# Altium PCB Arduino_pcb_PCB.PcbDoc (part 1 of 2)
Units mm, origin at the board's own origin, x right, y up, seen from the top; angles counter-clockwise.
Board outline 68.58 x 53.34 mm, 2 copper layers (L1, L2), stack 1.671 mm thick; 106 components, 71 nets, 323 pads, 77 vias.
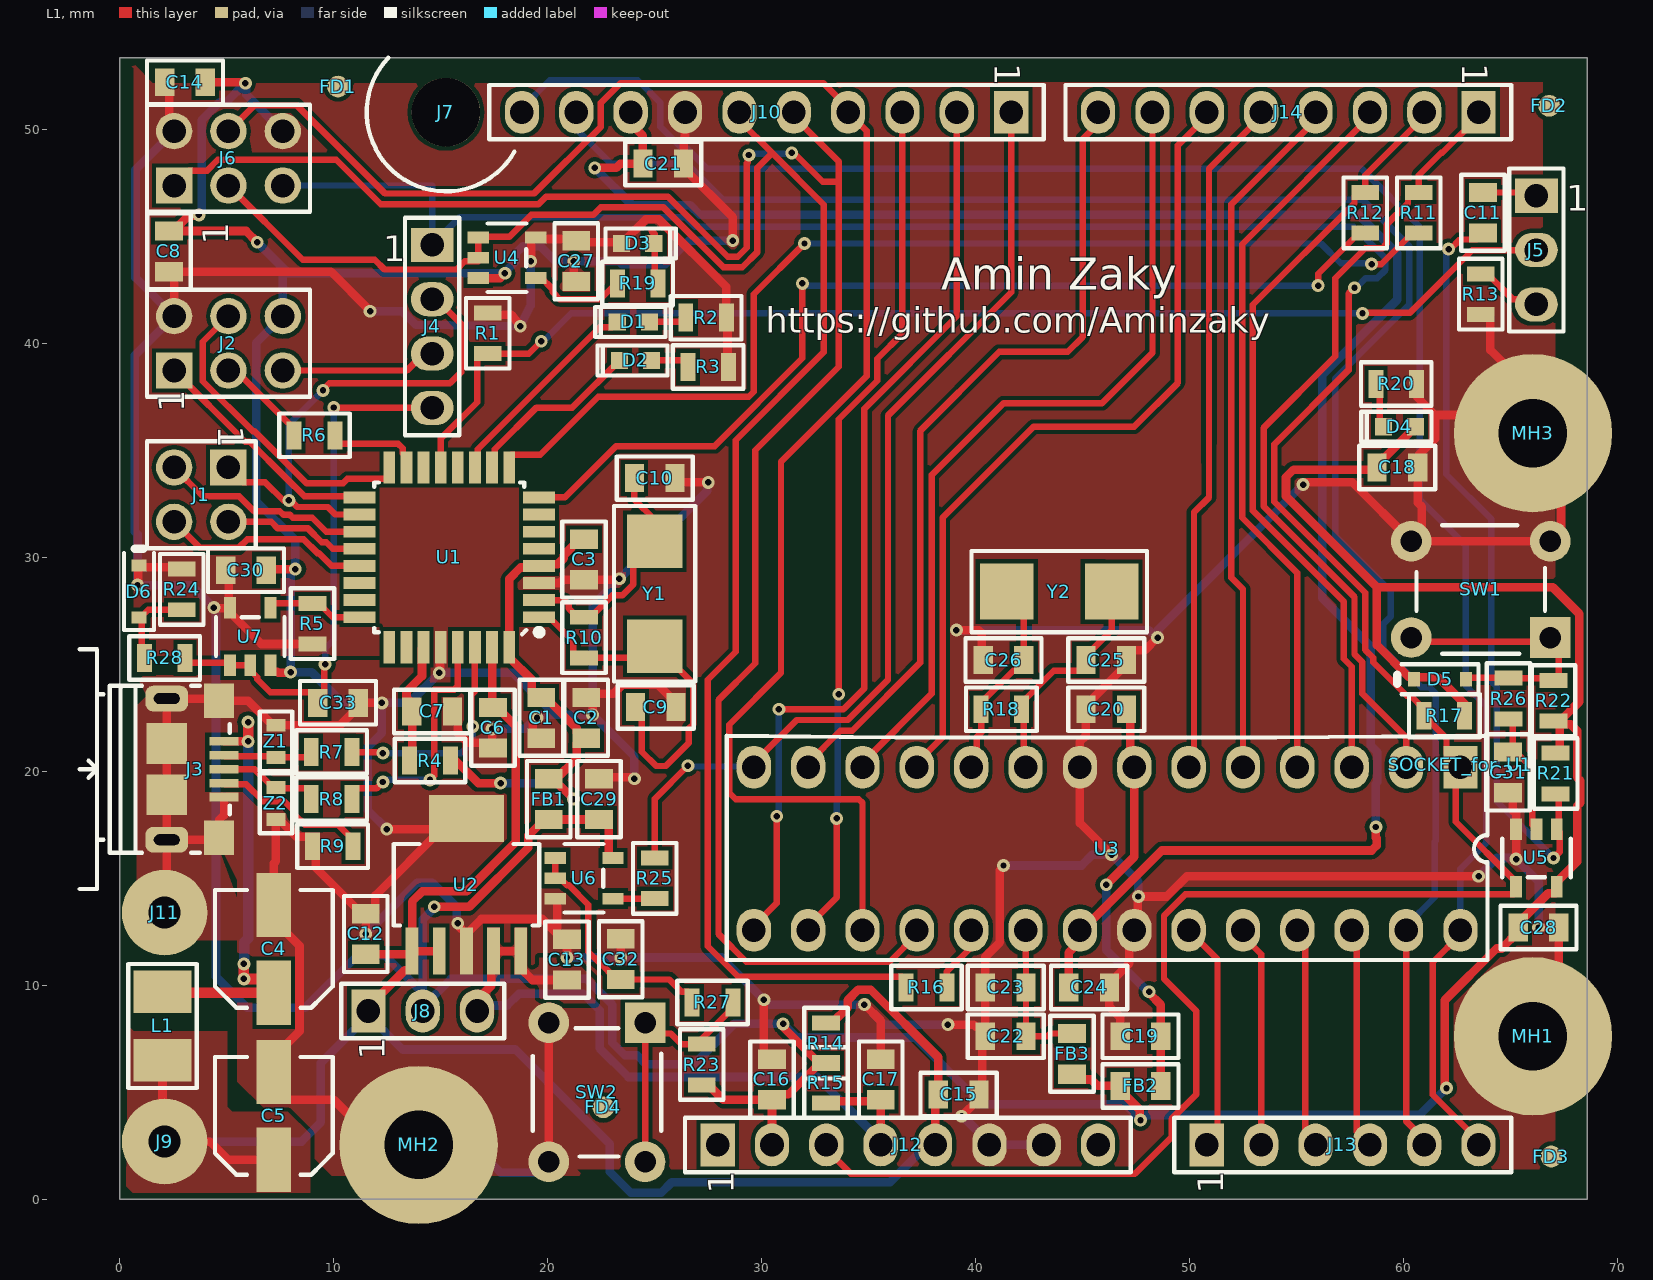
[diagram p0: L1 view]
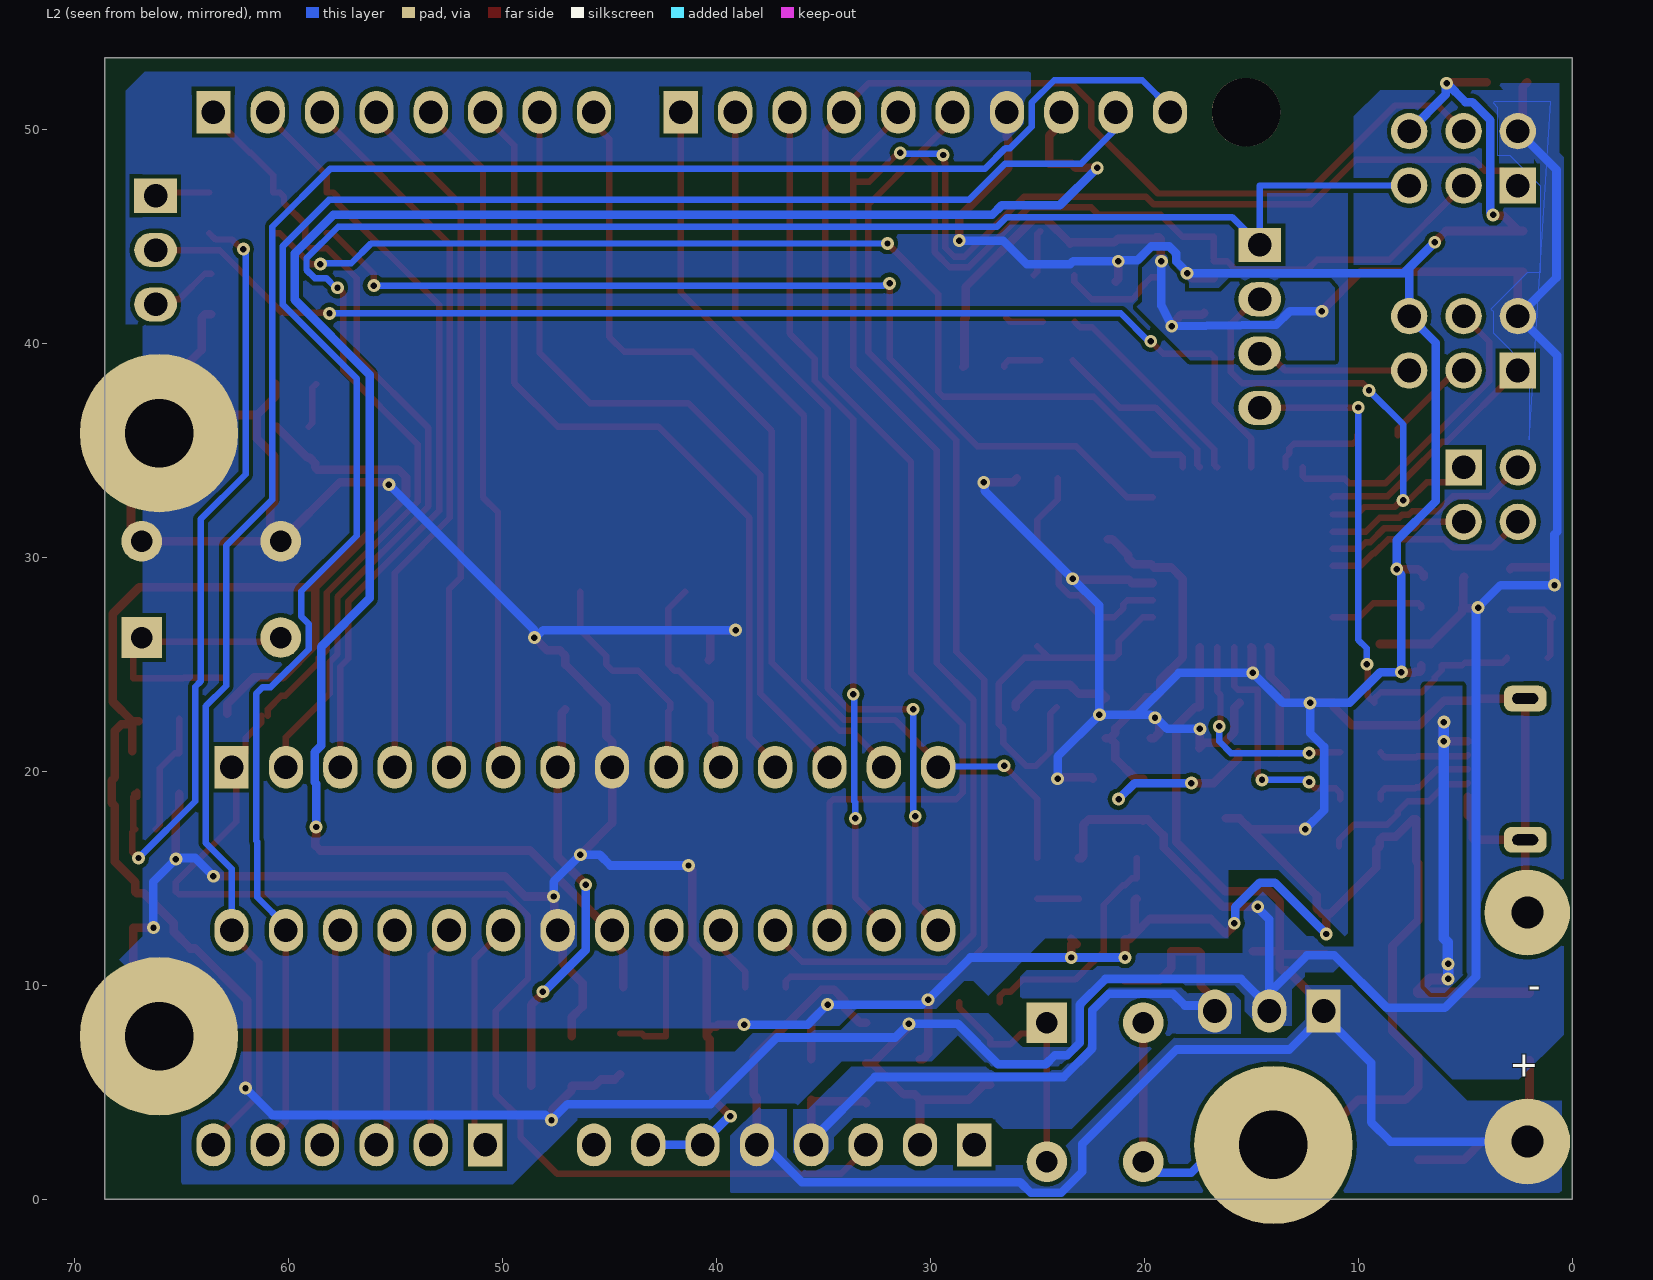
[diagram p1: L2 view, seen from below]
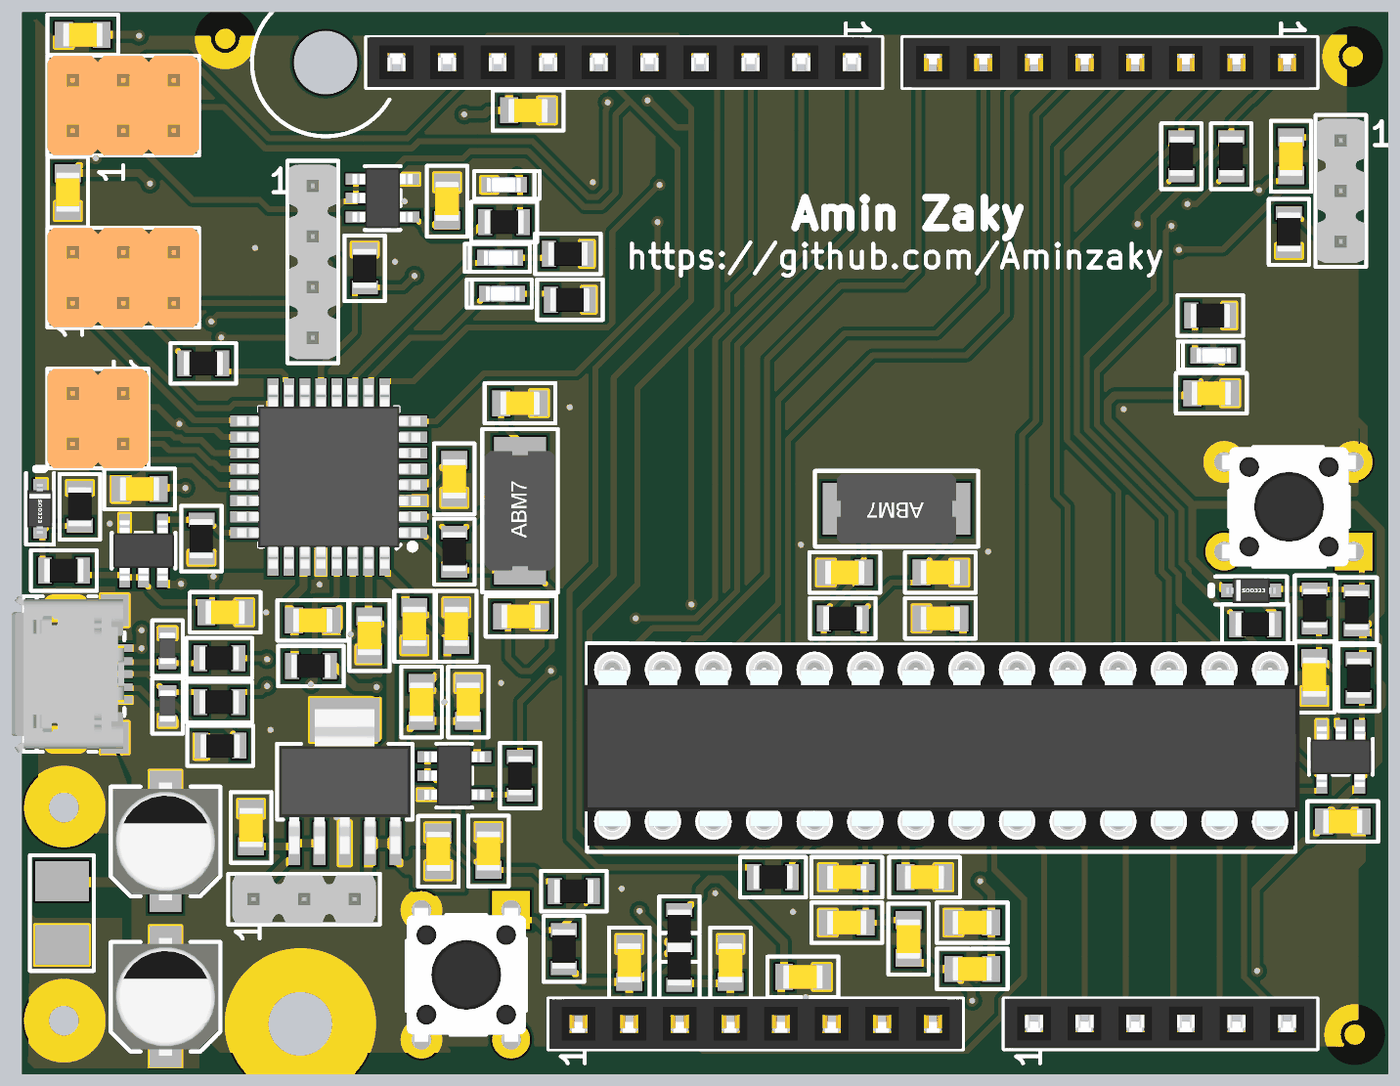
[diagram p3: 3D render of the assembled board from above, using the file's embedded part models]

## Layer stack, top to bottom
Top Solder: solder mask 0.0102, Solder Resist, Dk 3.5
L1: signal copper 0.0356
Dielectric 1: dielectric 1.6, FR-4, Dk 4.8
L2: signal copper 0.0356
Bottom Solder: solder mask 0.0102, Solder Resist, Dk 3.5

## Board outline
0,0 68.58,0 68.58,53.34 0,53.34

## Design rules (kind name [scope] priority, off if disabled: settings)
Clearance [All] p1: gap=0.2 ignorepadtopadclearanceinfootprint=FALSE
ComponentClearance "U3 U1" [InComponent('SOCKET_for_U1') vs InComponent('U3')] p1: gap=0 collisioncheckmode=3 verticalgap=0 showdistances=FALSE
ComponentClearance "J7 J10" [InComponent('J7') vs InComponent('J10')] p2: gap=0 collisioncheckmode=3 verticalgap=0 showdistances=FALSE
ComponentClearance "R15 R14" [InComponent('R15') vs InComponent('R14')] p3: gap=0 collisioncheckmode=3 verticalgap=0 showdistances=FALSE
ComponentClearance U1_U3 [InComponent('J13') vs InComponent('MH1')] p4: gap=0 collisioncheckmode=3 verticalgap=0 showdistances=FALSE
ComponentClearance "FD1 J7" [InComponent('FD1') vs InComponent('J7')] p5: gap=0 collisioncheckmode=3 verticalgap=0 showdistances=FALSE
ComponentClearance "FD4 SW2" [InComponent('FD4') vs InComponent('SW2')] p6: gap=0 collisioncheckmode=3 verticalgap=0 showdistances=FALSE
ComponentClearance ComponentClearance_1 [All] p7: gap=0.254 collisioncheckmode=3 verticalgap=0.254 showdistances=FALSE
HoleSize [All] p1: absolutevalues=TRUE maxlimit=10 minlimit=0.2 maxpercent=80.000 minpercent=20.000
HoleToHoleClearance [All] p1: gap=0.3 allowstackedmicrovias=TRUE
MinimumSolderMaskSliver [All] p1: minsoldermaskwidth=0.1
PolygonConnect [All] p1: connectstyle=Direct reliefconductorwidth=0.254 reliefentries=4 polygonreliefangle="90 Angle" airgapwidth=0.254
RoutingVias [All] p1: holewidth=0.3 width=0.6 viastyle="Through Hole" minholewidth=0.3 minwidth=0.6 maxholewidth=0.3 maxwidth=0.6
SMDNeckDown [All] p1: percent=100.000
SilkToSilkClearance [All] p1: silktosilkclearance=0.1
SilkToSolderMaskClearance [IsPad] p1: minsilkscreentomaskgap=0.1 clearancetoexposedcopper=TRUE
SolderMaskExpansion [All] p1: expansion=0.1 useseparateexpansions=TRUE expansionbottom=0.1
UnRoutedNet [All] p1: checkbadconnections=TRUE
Width "Width POWERS" [InNet('+*') or InNet('GND')] p1: maxlimit=4 minlimit=0.4 preferedwidth=0.4
Width [All] p2: maxlimit=0.5 minlimit=0.3 preferedwidth=0.3
23 further rules are at their usual default settings.

## Components (designator, comment, footprint, x,y, rotation, side; value= is the part's Value field where it differs from the comment)
C1 "10uf / 16V" C0805_145 19.7,22.5 r90 top
C2 "100n" C0805_95 21.8,22.5 r270 top
C3 "100n" C0805_95 21.7,29.9 r90 top
C4 "1Uf" C_ALIMUNUM_C_SIZE 7.2,11.7 r90 top
C5 "1Uf" C_ALIMUNUM_C_SIZE 7.2,3.9 r90 top
C6 "100n" C0805_95 17.44,22.038 r90 top
C7 "1uF/25V" C0805_145 14.595,22.797 r180 top
C8 "100n" C0805_95 2.3,44.3 r270 top
C9 "18p" C0805_95 25.05,23 r180 top
C10 "18p" C0805_95 25,33.7 r180 top
C11 "100n" C0805_95 63.7,46.1 r90 top
C12 "10uf / 16V" C0805_145 11.5,12.4 r270 top
C13 "10uf / 16V" C0805_145 20.9,11.2 r270 top
C14 "100n" C0805_95 3.05,52.2 r180 top
C15 "100n" C0805_95 39.2,4.9 r180 top
C16 "100n" C0805_95 30.48,5.6 r270 top
C17 "100n" C0805_95 35.56,5.6 r270 top
C18 "10uf / 16V" C0805_145 59.7,34.2 r180 top
C19 "10uf / 16V" C0805_145 47.7,7.62 r0 top
C20 "100n" C0805_95 46.1,22.9 r0 top
C21 "10uf / 16V" C0805_145 25.4,48.4 r180 top
C22 "10uf / 16V" C0805_145 41.4,7.62 r0 top
C23 "100n" C0805_95 41.4,9.9 r0 top
C24 "100n" C0805_95 45.3,9.9 r180 top
C25 "18p" C0805_95 46.1,25.2 r180 top
C26 "18p" C0805_95 41.3,25.2 r0 top
C27 "100n" C0805_95 21.336,43.838 r90 top
C28 "100n" C0805_95 66.3,12.7 r180 top
C29 "100n" C0805_95 22.4,18.7 r270 top
C30 "100n" C0805_95 5.9,29.4 r180 top
C31 "100n" C0805_95 64.875,19.95 r90 top
C32 "100n" C0805_95 23.416,11.221 r270 top
C33 "100n" C0805_95 10.2,23.2 r180 top
D1 "Orange" LED0603 24,41 r0 top
D2 "Orange" LED0603 24.1,39.2 r0 top
D3 "Orange" LED0603 24.202,44.666 r180 top
D4 "GREEN" LED0603 59.8,36.1 r0 top
D5 "BAT54HT1G" BAT54HT1G 61.7,24.3 r0 top
D6 "BAT54HT1G" BAT54HT1G 0.9,28.4 r270 top
FB1 "MPZ2012S601AT000" FB0805_85 20.05,18.7 r90 top
FB2 "MPZ2012S601AT000" FB0805_85 47.7,5.3 r0 top
FB3 "MPZ2012S601AT000" FB0805_85 44.5,6.8 r90 top
FD1 "FD_1MM" FD_408120 10.2,52 r0 top
FD2 "FD_1MM" FD_408120 66.8,51.1 r0 top
FD3 "FD_1MM" FD_408120 66.9,2 r0 top
FD4 "FD_1MM" FD_408120 22.6,4.3 r0 top
J1 "HDR 2x2" HDR_2X2_2.54MM 5.08,34.2 r270 top
J2 "HDR 2x3" HDR_3X2_2.54MM 5.08,40 r90 top
J3 "micro_usb" MICRO_USB 3.537,20.1 r270 top
J4 "HDR_1x4" HDR_FEMALE_1X4_2.54MM 14.6,44.6 r0 top
J5 "HDR_3x1" HDR_FEMALE_1X3_2.54MM 66.2,46.9 r0 top
J6 "HDR 2x3" HDR_3X2_2.54MM 5.08,48.644 r90 top
J7 "MH_7MM_3.2MM_NP" MH_7MM_3.2MM_NP 15.24,50.8 r0 top
J8 "HDR_3x1" HDR_FEMALE_1X3_2.54MM 11.62,8.8 r90 top
J9 "4MM_1.5MM" PAD_WITH_HOLE_4MM_1.5MM 2.1,2.7 r0 top
J10 "HDR Female 1x10 2.54mm" HDR_FEMALE_1X10_2.54MM 41.656,50.8 r270 top
J11 "4MM_1.5MM" PAD_WITH_HOLE_4MM_1.5MM 2.1,13.4 r0 top
J12 "HDR Female 1x 2.54mm" HDR_FEMALE_1X8_2.54MM 27.94,2.54 r90 top
J13 "HDR Female 1x6 2.54mm" "HDR_FEMALE_1X 6_2.54MM" 50.8,2.54 r90 top
J14 "HDR Female 1x 2.54mm" HDR_FEMALE_1X8_2.54MM 63.5,50.8 r270 top
L1 "2U2/2A" C2120_L 2,8.1 r270 top
MH1 "MH_7mm_3.2MM" MH_7MM_3.2MM#1 31.2,-16.7 r0 top
MH2 "MH_7mm_3.2MM" MH_7MM_3.2MM#2 15.7,3.6 r0 top
MH3 "MH_7mm_3.2MM" MH_7MM_3.2MM#3 30.3,-25.4 r0 top
R1 "100K" R0805 17.2,40.47 r90 top
R2 "560R" R0805 27.4,41.2 r0 top
R3 "560R" R0805 27.5,38.9 r0 top
R4 "0R" R0805 14.5,20.5 r0 top
R5 "10K" R0805 9.004,26.9 r90 top
R6 "22R" R0805 9.1,35.7 r180 top
R7 "22R" R0805 9.9,20.9 r0 top
R8 "22R" R0805 9.9,18.7 r0 top
R9 "0R" R0805 9.95,16.5 r180 top
R10 "1M" R0805 21.7,26.25 r270 top
R11 "1K" R0805 60.7,46.1 r90 top
R12 "1K" R0805 58.2,46.1 r90 top
R13 "1K" R0805 63.6,42.3 r90 top
R14 "0R" R0805 33,7.3 r270 top
R15 "0R" R0805 33,5.45 r270 top
R16 "22R" R0805 37.7,9.9 r180 top
R17 "10K" R0805 61.9,22.6 r0 top
R18 "1M" R0805 41.2,22.9 r0 top
R19 "560R" R0805 24.202,42.8 r0 top
R20 "560R" R0805 59.65,38.1 r180 top
R21 "10K" R0805 67.1,19.9 r90 top
R22 "10K" R0805 67,23.3 r270 top
R23 "10K" R0805 27.2,6.3 r270 top
R24 "10K" R0805 2.9,28.5 r90 top
R25 "560R" R0805 25,15 r90 top
R26 "22R" R0805 64.9,23.4 r270 top
R27 "22R" R0805 27.7,9.2 r180 top
R28 "22R" R0805 2.1,25.3 r0 top
SOCKET_for_U1 "28_dip_socket" DIP_28_SOCKET 62.65,20.32 r270 top
SW1 "1825910-6" SW_1825910-6 63.6,28.5 r270 top
SW2 "1825910-6" SW_1825910-6 22.3,5 r0 top
U1 "MICROCHIP - ATMEGA16U2-AU - MCU, 8BIT, MEGAAVR, 16MHZ, TQFP-32" TQFB32 15.4,30 r180 top
U2 "3.3V_REG" DCQR_PDSO_3.3 16.2,14.7 r90 top
U3 "ATMEGA328P-PU" 28_DIP_7.62MM 62.65,20.193 r270 top
U4 "SN74AHC1G09DBVR" DBV_SOT_23_5 18.1,44 r0 top
U5 "SN74AHC1G09DBVR" DBV_SOT_23_5 66.2,15.95 r270 top
U6 "SN74AHC1G09DBVR" DBV_SOT_23_5 21.7,15 r0 top
U7 "SN74AHC1G09DBVR" DBV_SOT_23_5 6.1,26.3 r90 top
Y1 "ABM7-16.000MHZ-D2Y-T" ABM7_BIG 25,28.3 r270 top
Y2 "ABM7-16.000MHZ-D2Y-T" ABM7_BIG 43.9,28.4 r0 top
Z1 "CG0603MLC-05E" R0603 7.3,21.4 r90 top
Z2 "CG0603MLC-05E" R0603 7.3,18.5 r270 top

## Footprints (in the part's own frame and the unit in brackets; to place one, negate y for a bottom-side part, rotate by r counter-clockwise, add the part's x,y. Pads: shape width x height; smd on the part's side, far side on the other; paste and mask are expansions set on the pad)
28_DIP_7.62MM [mm]
  rect 2x1.6 hole 1.1: 1(0,0)
  oval 2x1.6 hole 1.1: 2(0,-2.54) 3(0,-5.08) 4(0,-7.62) 5(0,-10.16) 6(0,-12.7) 7(0,-15.24) 8(0,-17.78) 9(0,-20.32) 10(0,-22.86) 11(0,-25.4) 12(0,-27.94) 13(0,-30.48) 14(0,-33.02) 15(7.62,-33.02) 16(7.62,-30.48) 17(7.62,-27.94) 18(7.62,-25.4) 19(7.62,-22.86) 20(7.62,-20.32) 21(7.62,-17.78) 22(7.62,-15.24) 23(7.62,-12.7) 24(7.62,-10.16) 25(7.62,-7.62) 26(7.62,-5.08) 27(7.62,-2.54) 28(7.62,0)
  silkscreen extent -1.47,-34.29 9.01,1.27, body extent -0.13,-34.46 7.75,1.48, height 7.55
ABM7_BIG [mm]
  rect 2.5x2.6 smd: 1(-2.45,0) 2(2.45,0)
  silkscreen extent -4.1,-1.9 4.1,1.9, body extent -3,-1.75 3,1.75, height 1.41
BAT54HT1G [mil]
  rect 22x27 smd: 1(-48,0) 2(48,0)
  silkscreen extent -79,-28 71,28, body extent -49,-25 49,25, height 39
C0805_95 [mm]
  rect 0.9x1.3 smd: 1(-0.95,0) 2(0.95,0)
  silkscreen extent -1.78,-1.02 1.78,1.02, body extent -1,-0.6 1,0.6, height 0.96
C0805_145 [mm]
  rect 0.9x1.3 smd: 1(-0.95,0) 2(0.95,0)
  silkscreen extent -1.78,-1.02 1.78,1.02, body extent -1,-0.6 1,0.6, height 1.46
C2120_L [mm]
  rect 2x2.7 smd: 1(-1.6,0) 2(1.6,0)
  silkscreen extent -2.9,-1.6 2.9,1.6, body extent -1.6,-1.25 1.7,1.25, height 2.7
C_ALIMUNUM_C_SIZE [mm]
  rect 3x1.6 smd: 1(-2.05,0) 2(2.05,0)
  silkscreen extent -2.75,-2.75 2.75,2.75, body extent -2.95,-2.65 2.95,2.65, height 5.42
DBV_SOT_23_5 [mm]
  rect 1x0.55 smd: 1(-1.35,0.95) 2(-1.35,0) 3(-1.35,-0.95) 4(1.35,-0.95) 5(1.35,0.95)
  silkscreen extent -0.9,-1.6 0.9,1.6, body extent -1.51,-1.52 1.51,1.53, height 1.61
DCQR_PDSO_3.3 [mm]
  rect 2.2x0.6 smd: 1(-3.1,2.54) 2(-3.1,1.27) 3(-3.1,0) 4(-3.1,-1.27) 5(-3.1,-2.54)
  rect 2.2x3.5 smd: 6(3.1,0)
  silkscreen extent -1.9,-3.4 1.9,3.4, body extent -3.63,-3.28 3.63,3.27, height 1.79
DIP_28_SOCKET [mm]
  body extent -1.24,-34.26 8.86,1.24, height 4.2
FB0805_85 [mm]
  rect 0.9x1.3 smd: 1(-0.95,0) 2(0.95,0)
  silkscreen extent -1.78,-1.02 1.78,1.02, body extent -1,-0.6 1,0.6, height 0.89
FD_408120 [mil]
  round 40 smd paste-40 mask+40: 1(0,0)
HDR_2X2_2.54MM [mm]
  rect 1.7x1.7 hole 1.1: 1(0,0)
  round 1.7 hole 1.1: 2(2.54,0) 3(0,-2.54) 4(2.54,-2.54)
  silkscreen extent -1.23,-3.81 3.77,1.27, body extent -1.23,-3.81 3.77,1.27, height 8.01
HDR_3X2_2.54MM [mm]
  rect 1.7x1.7 hole 1.1: 1(-1.27,2.54)
  round 1.7 hole 1.1: 2(1.27,2.54) 3(-1.27,0) 4(1.27,0) 5(-1.27,-2.54) 6(1.27,-2.54)
  silkscreen extent -2.5,-3.81 2.5,3.81, body extent -2.5,-3.81 2.5,3.81, height 8.01
HDR_FEMALE_1X3_2.54MM [mm]
  rect 2x1.6 / inner rect 2.5x1.6 / far side rect 2x1.6 hole 1.1: 1(0,0)
  oval 2x1.6 / inner oval 2.5x1.6 / far side oval 2x1.6 hole 1.1: 2(0,-2.54) 3(0,-5.08)
  silkscreen extent -1.27,-6.35 1.27,1.27, body extent -1.2,-6.15 1.2,1.07, height 8.39
HDR_FEMALE_1X4_2.54MM [mm]
  rect 2x1.6 / inner rect 2.5x1.6 / far side rect 2x1.6 hole 1.1: 1(0,0)
  oval 2x1.6 / inner oval 2.5x1.6 / far side oval 2x1.6 hole 1.1: 2(0,-2.54) 3(0,-5.08) 4(0,-7.62)
  silkscreen extent -1.27,-8.89 1.27,1.27, body extent -1.21,-8.68 1.2,1.08, height 8.39
HDR_FEMALE_1X8_2.54MM [mm]
  rect 2x1.6 / inner rect 2.5x1.6 / far side rect 2x1.6 hole 1.1: 1(0,0)
  oval 2x1.6 / inner oval 2.5x1.6 / far side oval 2x1.6 hole 1.1: 2(0,-2.54) 3(0,-5.08) 4(0,-7.62) 5(0,-10.16) 6(0,-12.7) 7(0,-15.24) 8(0,-17.78)
  silkscreen extent -1.27,-19.3 1.27,1.52, body extent -1.25,-19.25 1.25,1.47, height 8.51
HDR_FEMALE_1X10_2.54MM [mm]
  rect 2x1.6 / inner rect 2.5x1.6 / far side rect 2x1.6 hole 1.1: 1(0,0)
  oval 2x1.6 / inner oval 2.5x1.6 / far side oval 2x1.6 hole 1.1: 2(0,-2.54) 3(0,-5.08) 4(0,-7.62) 5(0,-10.16) 6(0,-12.7) 7(0,-15.24) 8(0,-17.78) 9(0,-20.32) 10(0,-22.86)
  silkscreen extent -1.27,-24.38 1.27,1.52, body extent -1.27,-24.33 1.23,1.47, height 8.51
"HDR_FEMALE_1X 6_2.54MM" [mm]
  rect 2x1.6 / inner rect 2.5x1.6 / far side rect 2x1.6 hole 1.1: 1(0,0)
  oval 2x1.6 / inner oval 2.5x1.6 / far side oval 2x1.6 hole 1.1: 2(0,-2.54) 3(0,-5.08) 4(0,-7.62) 5(0,-10.16) 6(0,-12.7)
  silkscreen extent -1.27,-14.22 1.27,1.52, body extent -1.23,-14.17 1.27,1.47, height 8.51
LED0603 [mm]
  rect 0.8x0.8 smd: 1(-0.75,0) 2(0.75,0)
  silkscreen extent -1.78,-0.7 1.5,0.7, body extent -0.83,-0.4 0.88,0.4, height 0.66
MH_7MM_3.2MM#1 [mm]
  round 7.4 hole 3.2: 1(34.84,24.32)
MH_7MM_3.2MM#2 [mm]
  round 7.4 hole 3.2: 1(-1.73,-1.06)
MH_7MM_3.2MM#3 [mm]
  round 7.4 hole 3.2: 1(35.74,61.2)
MH_7MM_3.2MM_NP [mm]
  round 3.2 hole 3.2 unplated: 1(0,0)
  silkscreen extent -3.7,-3.7 3.2,2.54
MICRO_USB [mm]
  rect 0.4x1.35 smd mask+0.05: 1(-1.3,1.338) 2(-0.65,1.338) 3(0,1.338) 4(0.65,1.338) 5(1.3,1.338)
  rect 1.6x1.4 smd: 6(-3.2,1.113) 7(3.2,1.113)
  rrect60% 1.2x2 hole 0.5 slot 1.2 at 90 deg: 8(-3.3,-1.338) 9(3.3,-1.338)
  rect 1.9x1.9 smd: 10(-1.2,-1.338) 11(1.2,-1.338)
  silkscreen extent -5.6,-5.4 5.6,1.6, body extent -3.93,-4.06 3.93,1.6, height 2.83
PAD_WITH_HOLE_4MM_1.5MM [mm]
  round 4 hole 1.5: 1(0,0)
R0603 [mm]
  rect 0.6x0.9 smd: 1(-0.75,0) 2(0.75,0)
  silkscreen extent -1.4,-0.76 1.4,0.76, body extent -0.8,-0.4 0.8,0.4, height 0.85
R0805 [mm]
  rect 0.7x1.3 smd: 1(-0.95,0) 2(0.95,0)
  silkscreen extent -1.65,-1.02 1.65,1.02, body extent -1,-0.6 1,0.6, height 0.61
SW_1825910-6 [mm]
  rect 1.9x1.9 hole 1: 1(2.25,3.25)
  round 1.9 hole 1: 2(2.25,-3.25) 3(-2.25,3.25) 4(-2.25,-3.25)
  silkscreen extent -3,-3 3,3, body extent -3,-3.9 2.99,3.9, height 5.01
TQFB32 [mm]
  rect 1.5x0.55 smd mask+0.06: 1(-4.2,2.8) 2(-4.2,2) 3(-4.2,1.2) 4(-4.2,0.4) 5(-4.2,-0.4) 6(-4.2,-1.2) 7(-4.2,-2) 8(-4.2,-2.8) 17(4.2,-2.8) 18(4.2,-2) 19(4.2,-1.2) 20(4.2,-0.4) 21(4.2,0.4) 22(4.2,1.2) 23(4.2,2) 24(4.2,2.8)
  rect 0.55x1.5 smd mask+0.06: 9(-2.8,-4.2) 10(-2,-4.2) 11(-1.2,-4.2) 12(-0.4,-4.2) 13(0.4,-4.2) 14(1.2,-4.2) 15(2,-4.2) 16(2.8,-4.2) 25(2.8,4.2) 26(2,4.2) 27(1.2,4.2) 28(0.4,4.2) 29(-0.4,4.2) 30(-1.2,4.2) 31(-2,4.2) 32(-2.8,4.2)
  silkscreen extent -4.3,-3.5 3.5,3.6, body extent -4.6,-4.6 4.6,4.6, height 1.2

## Part data
C1 C12 C13 C18 C19 C21 C22: library part C2012X5R1C106K085AC, "TDK - C2012X5R1C106K085AC - SMD Multilayer Ceramic Capacitor, 10 µF, 16 V, 0805 [2012 Metric], ± 10%, X5R, C Series TDK", Capacitance=10uF, Case/Package=0805, Case Code (Metric)=2012, Dielectric=X5R, Dielectric Material=Ceramic, Manufacturer=TDK, Max Operating Temperature=85°C, Min Operating Temperature=-55°C, Package Quantity=1, Supplier Part Number 1=445-7644-1-ND, Tolerance=10%, Voltage Rating=16V, Case Code (Imperial)=0805, ComponentLink1Description=https://datasheet.ciiva.com/24218/c2012x5r1c106k085ac-264980-24218056.pdf?src-supplier=Mouser, ComponentLink1URL=https://datasheet.ciiva.com/24218/c2012x5r1c106k085ac-264980-24218056.pdf?src-supplier=Mouser, ComponentLink2Description=https://datasheet.ciiva.com/28451/1796654-28451610.pdf?src-supplier=Element14, ComponentLink2URL=https://datasheet.ciiva.com/28451/1796654-28451610.pdf?src-supplier=Element14, ComponentLink3Description=https://datasheet.ciiva.com/28602/1744655-28602170.pdf?src-supplier=Element14, ComponentLink3URL=https://datasheet.ciiva.com/28602/1744655-28602170.pdf?src-supplier=Element14, ComponentLink4Description=https://datasheet.ciiva.com/6259/tdkmlcccaprange-6259116.pdf?src-supplier=Digi-Key, ComponentLink4URL=https://datasheet.ciiva.com/6259/tdkmlcccaprange-6259116.pdf?src-supplier=Digi-Key, ComponentLink5Description=https://datasheet.ciiva.com/23803/1796654-23803020.pdf?src-supplier=Newark, ComponentLink5URL=https://datasheet.ciiva.com/23803/1796654-23803020.pdf?src-supplier=Newark, ComponentLink6Description=https://datasheet.ciiva.com/22719/1796654-22719549.pdf?src-supplier=Element14, ComponentLink6URL=https://datasheet.ciiva.com/22719/1796654-22719549.pdf?src-supplier=Element14, ComponentLink7Description=https://datasheet.ciiva.com/6259/tdkmlcccaprange-6259119.pdf?src-supplier=Digi-Key, ComponentLink7URL=https://datasheet.ciiva.com/6259/tdkmlcccaprange-6259119.pdf?src-supplier=Digi-Key, ComponentLink8Description=https://datasheet.ciiva.com/28673/mlcc-commercial-general-en-28673535.pdf?src-supplier=Element14, ComponentLink8URL=https://datasheet.ciiva.com/28673/mlcc-commercial-general-en-28673535.pdf?src-supplier=Element14, Depth=1.25mm, Height=0.85mm, Lead Free="Lead Free", Length=2mm, Manufacturer Part Number=C2012X5R1C106K085AC, Mount="Surface Mount", Number of Pins=2, Packaging="Tape and Reel", Pricing 1="1 = 0.24000, 10 = 0.16700, 50 = 0.11140, 100 = 0.09460, 500 = 0.06680, 1000 = 0.05844 (USD)", REACH SVHC="No SVHC", Resistor Type=Ceramic, RoHS=Yes, Stock 1=1313952, Supplier 1=Digi-Key, Termination=SMD/SMT, Thickness=0.037inch, Voltage Rating (DC)=16V, Weight=0.000194oz, Width=0.049inch
C2 C3 C6 C8 C11 C14 C15 C16 C17 C20 C23 C24 C27 C28 C29 C30 C31 C32 C33: library part C2012X7R1H104K085AA, "TDK - C2012X7R1H104K085AA - SMD Multilayer Ceramic Capacitor, 0.1 µF, 50 V, 0805 [2012 Metric], ± 10%, X7R, C Series", Capacitance=100nF, Case/Package=0805, Case Code (Metric)=2012, Dielectric=X7R, Dielectric Material=Ceramic, Manufacturer=TDK, Max Operating Temperature=125°C, Min Operating Temperature=-55°C, Package Quantity=1, Supplier Part Number 1=445-7534-1-ND, Tolerance=10%, Voltage=50V, Case Code (Imperial)=0805, ComponentLink1Description=https://datasheet.ciiva.com/11788/0900766b80c1bb00-11788128.pdf?src-supplier=RSComponents, ComponentLink1URL=https://datasheet.ciiva.com/11788/0900766b80c1bb00-11788128.pdf?src-supplier=RSComponents, ComponentLink2Description=https://datasheet.ciiva.com/6250/tdkmlcccaprange-6250821.pdf?src-supplier=Digi-Key, ComponentLink2URL=https://datasheet.ciiva.com/6250/tdkmlcccaprange-6250821.pdf?src-supplier=Digi-Key, ComponentLink3Description=https://datasheet.ciiva.com/24191/e412-c-24191447.pdf?src-supplier=Future+Electronics, ComponentLink3URL=https://datasheet.ciiva.com/24191/e412-c-24191447.pdf?src-supplier=Future+Electronics, ComponentLink4Description=https://datasheet.ciiva.com/6250/tdkmlcccaprange-6250824.pdf?src-supplier=Digi-Key, ComponentLink4URL=https://datasheet.ciiva.com/6250/tdkmlcccaprange-6250824.pdf?src-supplier=Digi-Key, ComponentLink5Description=https://datasheet.ciiva.com/23803/1796654-23803035.pdf?src-supplier=Newark, ComponentLink5URL=https://datasheet.ciiva.com/23803/1796654-23803035.pdf?src-supplier=Newark, ComponentLink6Description=https://datasheet.ciiva.com/28602/1571323-28602204.pdf?src-supplier=Element14, ComponentLink6URL=https://datasheet.ciiva.com/28602/1571323-28602204.pdf?src-supplier=Element14, Depth=1.25mm, Height=0.85mm, Lead Free="Lead Free", Length=2mm, Manufacturer Part Number=C2012X7R1H104K085AA, Mount="Surface Mount", Number of Pins=2, Packaging="Tape and Reel", Pricing 1="1 = 0.15000, 10 = 0.10400, 50 = 0.05900, 100 = 0.04880, 500 = 0.03422, 1000 = 0.02833 (USD)", Radiation Hardening=No, REACH SVHC="No SVHC", Resistor Type=Ceramic, RoHS=Yes, Stock 1=71656, Supplier 1=Digi-Key, Termination=SMD/SMT, Thickness=0.037inch, Voltage Rating=50V, Voltage Rating (DC)=50V, Weight=0.000194oz, Width=0.049inch
C4 C5: library part EEE-1AA101WR, "Cap Aluminum 100uF 10V 20% (5 X 5.4mm) SMD 50mA 1000 hr 85°C T/R", Capacitance=100uF, Case/Package=Radial, Manufacturer=Panasonic, Max Operating Temperature=85°C, Min Operating Temperature=-40°C, Package Quantity=1, Ripple Current=50mA, Supplier Part Number 1=PCE3867CT-ND, Tolerance=20%, Voltage Rating=10V, ComponentLink1Description=https://datasheet.ciiva.com/26945/getdatasheetpartid-169213-26945071.pdf?src-supplier=Verical, ComponentLink1URL=https://datasheet.ciiva.com/26945/getdatasheetpartid-169213-26945071.pdf?src-supplier=Verical, ComponentLink2Description=https://datasheet.ciiva.com/2983/aba0000ce2-2983906.pdf?src-supplier=Avnet, ComponentLink2URL=https://datasheet.ciiva.com/2983/aba0000ce2-2983906.pdf?src-supplier=Avnet, ComponentLink3Description=https://datasheet.ciiva.com/30075/11aba0000ce2-30075303.pdf?src-supplier=Onlinecomponents.com, ComponentLink3URL=https://datasheet.ciiva.com/30075/11aba0000ce2-30075303.pdf?src-supplier=Onlinecomponents.com, ComponentLink4Description=https://datasheet.ciiva.com/16427/aba0000ce2-16427544.pdf?src-supplier=Future+Electronics, ComponentLink4URL=https://datasheet.ciiva.com/16427/aba0000ce2-16427544.pdf?src-supplier=Future+Electronics, ComponentLink5Description=https://datasheet.ciiva.com/14598/70255710-14598233.pdf?src-supplier=Allied+Electronics, ComponentLink5URL=https://datasheet.ciiva.com/14598/70255710-14598233.pdf?src-supplier=Allied+Electronics, ComponentLink6Description=https://datasheet.ciiva.com/14605/70255710-14605689.pdf?src-supplier=Allied+Electronics, ComponentLink6URL=https://datasheet.ciiva.com/14605/70255710-14605689.pdf?src-supplier=Allied+Electronics, ComponentLink7Description=https://datasheet.ciiva.com/11673/aba0000ce2-11673882.pdf?src-supplier=Avnet, ComponentLink7URL=https://datasheet.ciiva.com/11673/aba0000ce2-11673882.pdf?src-supplier=Avnet, ComponentLink8Description=https://datasheet.ciiva.com/24027/aba0000ce2-40801-24027541.pdf?src-supplier=Mouser, ComponentLink8URL=https://datasheet.ciiva.com/24027/aba0000ce2-40801-24027541.pdf?src-supplier=Mouser, Contact Plating=Tin, Diameter=5mm, Height=5.4mm, Height - Seated (Max)=0.213inch, Lead Free="Lead Free", Length=5.5mm, Life (Hours)=1000Hour, Manufacturer Part Number=EEE-1AA101WR, Mount="Surface Mount,PCB", Packaging="Tape and Reel", Pricing 1="1 = 0.34000, 10 = 0.23100, 50 = 0.15400, 100 = 0.13090, 500 = 0.09240 (USD)", Radiation Hardening=No, REACH SVHC=Unknown, Ripple Current (AC)=50mA, RoHS=Yes, Stock 1=0, Supplier 1=Digi-Key, Termination=SMD/SMT, Voltage Rating (DC)=10V